# Altium PCB 58.13.0093_400_Rev00.PcbDoc (part 1 of 3) (continued)
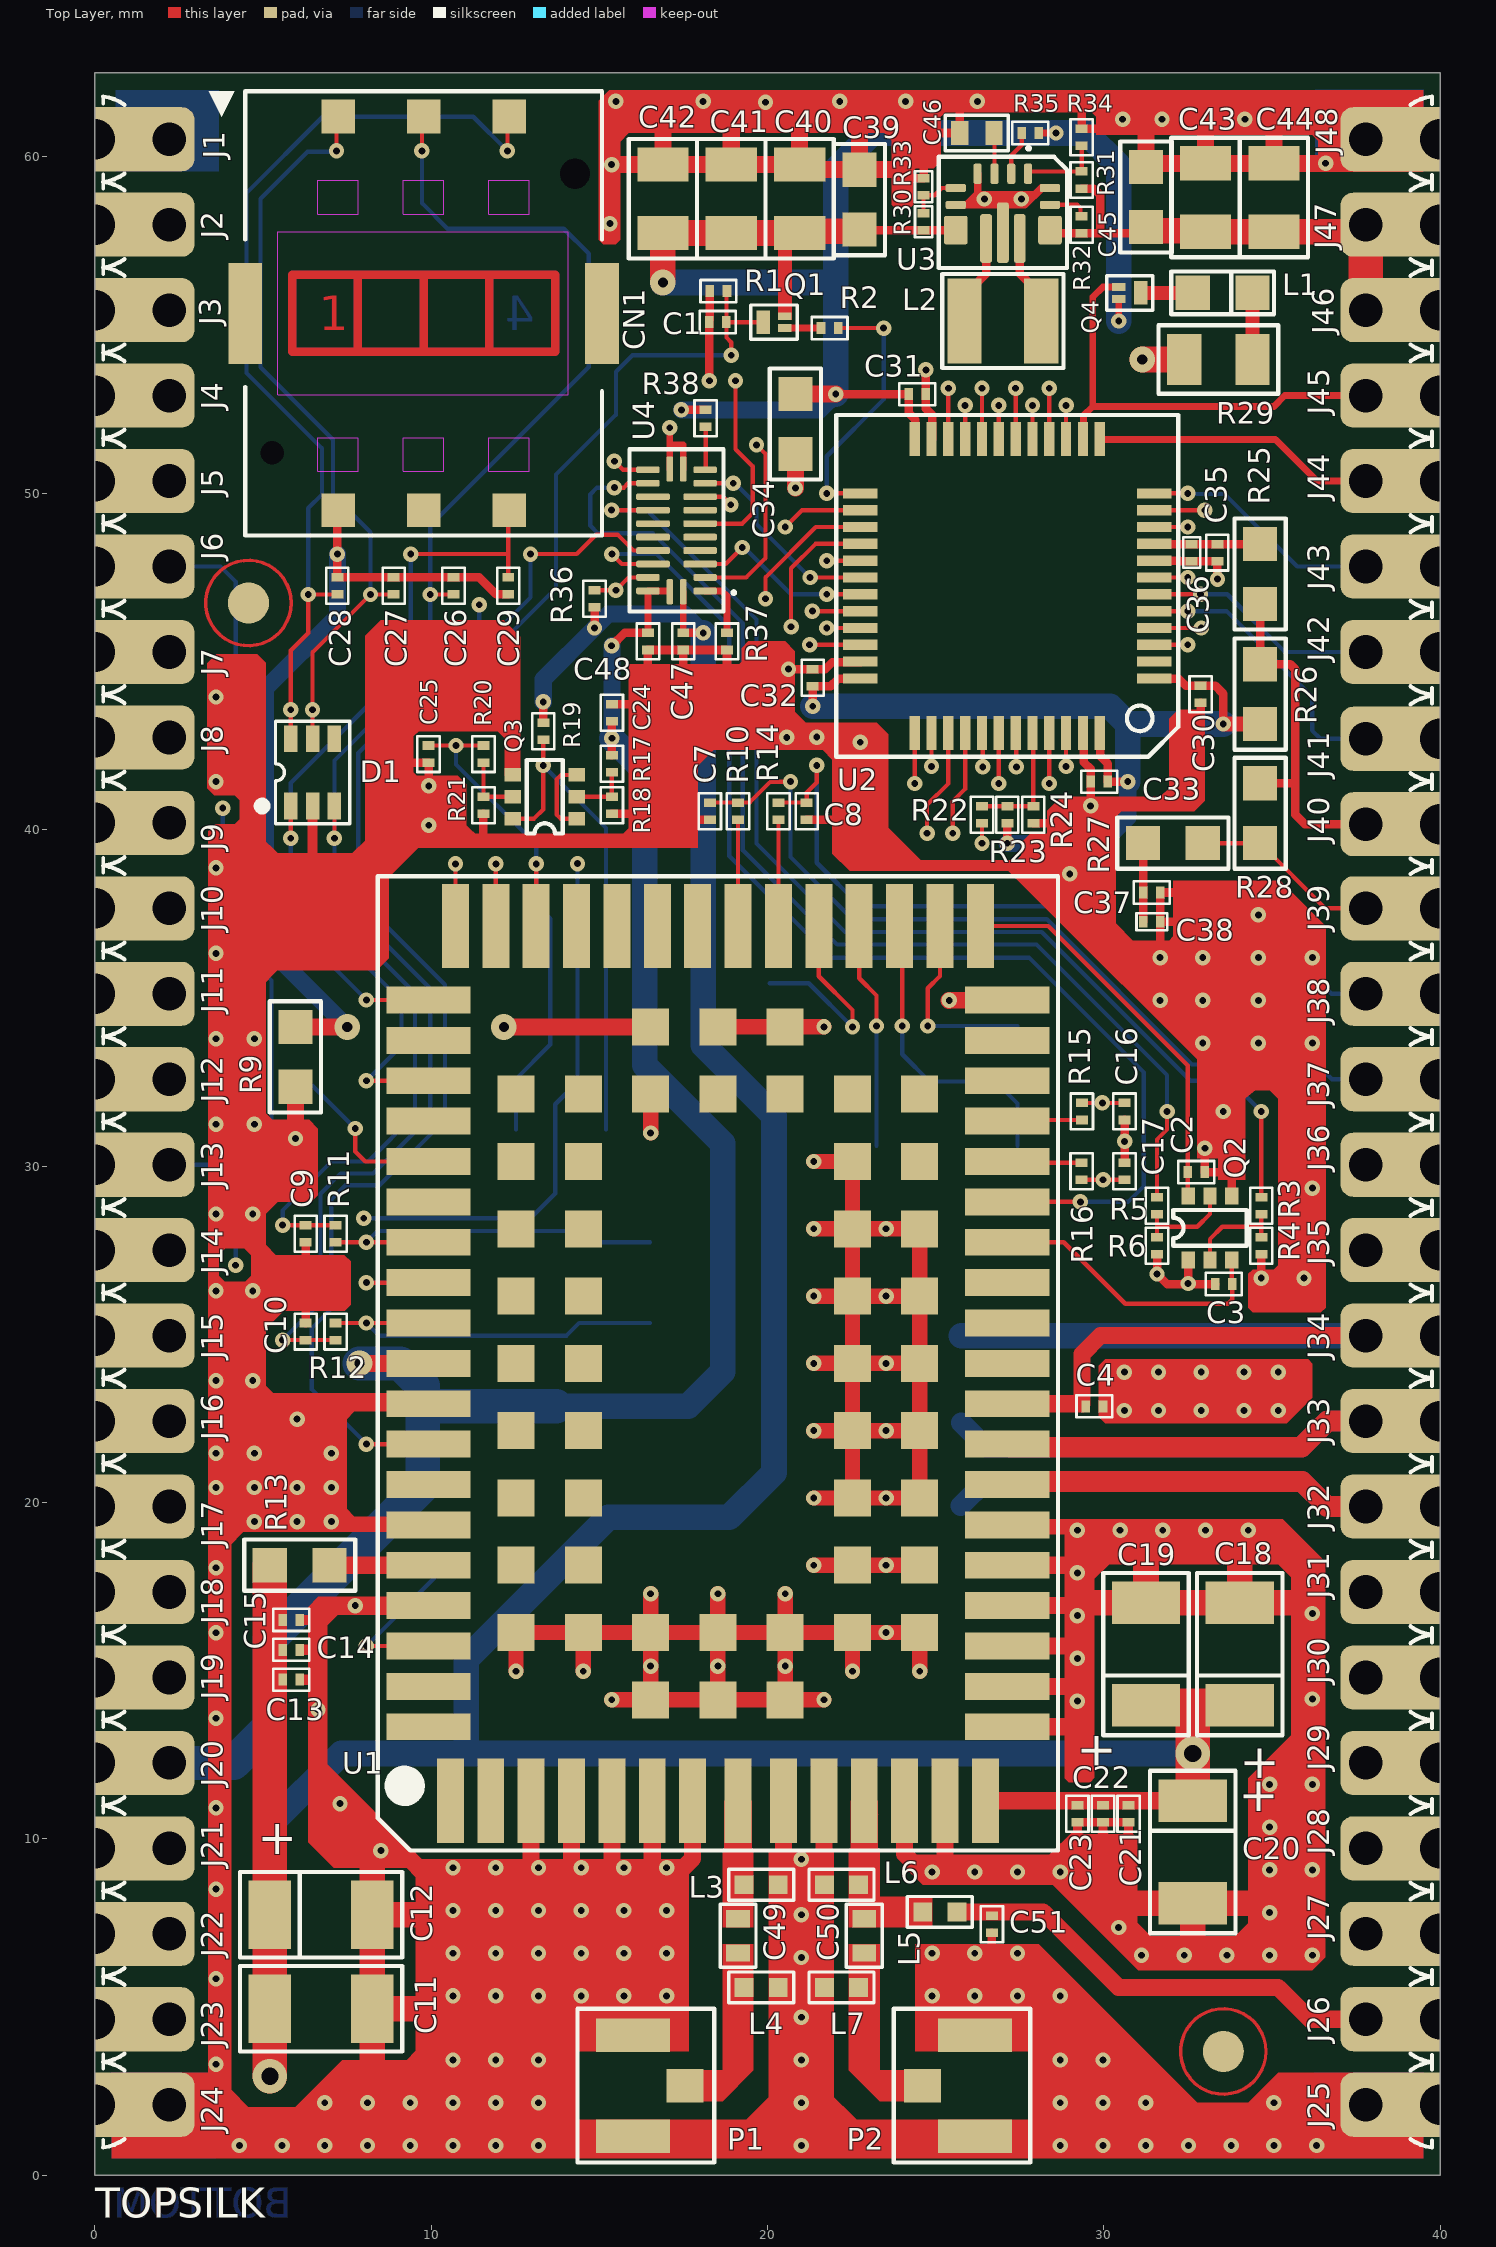
[diagram p0: Top Layer view]
## Components (designator, comment, footprint, x,y, rotation, side; value= is the part's Value field where it differs from the comment)
1 "Comment" ETIQUETA-34.15.1362 27.066,49.82 r90 bottom
C1 "16.23.0798" 16.23.0798 18.525,55.084 r0 top
C2 "16.23.0798" 16.23.0798 32.747,29.82 r180 top
C3 "16.23.0798" 16.23.0798 33.559,26.492 r0 top
C4 "16.23.0803" 16.23.0803 29.718,22.86 r0 top
C7 "16.23.0802" 16.23.0802 18.288,40.55 r270 top
C8 "16.23.0802" 16.23.0802 21.166,40.55 r270 top
C9 "16.23.0802" 16.23.0802 6.274,27.989 r90 top
C10 "16.23.0802" 16.23.0802 6.274,25.081 r270 top
C11 "16.23.0804" 16.23.0804 6.731,4.953 r0 top value=100uF
C12 "16.23.0795" 16.23.0795 6.731,7.747 r180 top
C13 "16.23.0797" 16.23.0797 5.842,14.732 r180 top
C14 "16.23.0797" 16.23.0797 5.842,15.621 r180 top
C15 "16.23.0799" 16.23.0799 5.842,16.51 r180 top
C16 "16.23.0802" 16.23.0802 30.613,31.623 r90 top
C17 "16.23.0802" 16.23.0802 30.613,29.845 r270 top
C18 "16.23.0789" 16.23.0789 34.036,15.494 r270 top
C19 "16.23.0795" 16.23.0795 31.25,15.494 r270 top
C20 "16.23.0795" 16.23.0795 32.639,9.611 r90 top
C21 "16.23.0797" 16.23.0797 30.734,10.744 r90 top
C22 "16.23.0797" 16.23.0797 29.972,10.744 r90 top
C23 "16.23.0799" 16.23.0799 29.21,10.744 r90 top
C24 "16.23.0798" 16.23.0798 15.375,43.478 r270 top
C25 "16.23.0798" 16.23.0798 9.925,42.246 r90 top
C26 "16.23.0800" 16.23.0800 10.668,47.244 r270 top
C27 "16.23.0801" 16.23.0801 8.89,47.244 r270 top
C28 "16.23.0799" 16.23.0799 7.214,47.244 r270 top
C29 "16.23.0799" 16.23.0799 12.294,47.244 r90 top
C30 "16.23.0803" 16.23.0803 32.874,44.028 r90 top
C31 "16.23.0803" 16.23.0803 24.454,52.944 r180 top
C32 "16.23.0803" 16.23.0803 21.344,44.516 r270 top
C33 "16.23.0803" 16.23.0803 29.859,41.426 r0 top
C34 "16.23.0805" 16.23.0805 20.828,52.055 r90 top value=10uF
C35 "16.23.0803" 16.23.0803 33.37,48.235 r90 top
C36 "16.23.0806" 16.23.0806 32.608,48.235 r90 top value=1uF
C37 "16.23.0803" 16.23.0803 31.425,38.131 r180 top
C38 "16.23.0806" 16.23.0806 31.425,37.262 r180 top value=1uF
C39 "16.23.0733" 16.23.0733 22.733,58.727 r270 top value=10uF/25V
C40 "16.23.0428" 16.23.0428 20.955,58.75 r270 top
C41 "16.23.0428" 16.23.0428 18.923,58.75 r270 top
C42 "16.23.0428" 16.23.0428 16.891,58.75 r270 top
C43 "16.23.0735" 16.23.0735 33.02,58.789 r270 top value=10uF/25V
C44 "16.23.0735" 16.23.0735 35.052,58.789 r270 top value=10uF/25V
C45 "16.23.0733" 16.23.0733 31.25,58.803 r270 top value=10uF/25V
C46 "16.23.0807" 16.23.0807 26.221,60.706 r0 top value=100nF
C47 "16.23.0803" 16.23.0803 17.496,45.593 r90 top
C48 "16.23.0803" 16.23.0803 16.446,45.593 r90 top
C49 "16.23.0788" 16.23.0788 19.125,7.12 r90 top
C50 "16.23.0788" 16.23.0788 22.875,7.12 r90 top
C51 "16.23.0798" 16.23.0798 26.67,7.468 r90 top
CN1 "SIMCARD-6X6" 28.24.0073 9.779,55.347 r180 top locked
D1 "32.27.0043" 32.27.0043 6.477,41.7 r0 top
J1 "CASTELATION" CASTELATION 0,60.52 r0 top
J2 "CASTELATION" CASTELATION 0,57.98 r0 top
J3 "CASTELATION" CASTELATION 0,55.44 r0 top
J4 "CASTELATION" CASTELATION 0,52.9 r0 top
J5 "CASTELATION" CASTELATION 0,50.36 r0 top
J6 "CASTELATION" CASTELATION 0,47.82 r0 top
J7 "CASTELATION" CASTELATION 0,45.28 r0 top
J8 "CASTELATION" CASTELATION 0,42.74 r0 top
J9 "CASTELATION" CASTELATION 0,40.2 r0 top
J10 "CASTELATION" CASTELATION 0,37.66 r0 top
J11 "CASTELATION" CASTELATION 0,35.12 r0 top
J12 "CASTELATION" CASTELATION 0,32.58 r0 top
J13 "CASTELATION" CASTELATION 0,30.04 r0 top
J14 "CASTELATION" CASTELATION 0,27.5 r0 top
J15 "CASTELATION" CASTELATION 0,24.96 r0 top
J16 "CASTELATION" CASTELATION 0,22.42 r0 top
J17 "CASTELATION" CASTELATION 0,19.88 r0 top
J18 "CASTELATION" CASTELATION 0,17.34 r0 top
J19 "CASTELATION" CASTELATION 0,14.8 r0 top
J20 "CASTELATION" CASTELATION 0,12.26 r0 top
J21 "CASTELATION" CASTELATION 0,9.72 r0 top
J22 "CASTELATION" CASTELATION 0,7.18 r0 top
J23 "CASTELATION" CASTELATION 0,4.64 r0 top
J24 "CASTELATION" CASTELATION 0,2.1 r0 top
J25 "CASTELATION" CASTELATION 40,2.1 r180 top
J26 "CASTELATION" CASTELATION 40,4.64 r180 top
J27 "CASTELATION" CASTELATION 40,7.18 r180 top
J28 "CASTELATION" CASTELATION 40,9.72 r180 top
J29 "CASTELATION" CASTELATION 40,12.26 r180 top
J30 "CASTELATION" CASTELATION 40,14.8 r180 top
J31 "CASTELATION" CASTELATION 40,17.34 r180 top
J32 "CASTELATION" CASTELATION 40,19.88 r180 top
J33 "CASTELATION" CASTELATION 40,22.42 r180 top
J34 "CASTELATION" CASTELATION 40,24.96 r180 top
J35 "CASTELATION" CASTELATION 40,27.5 r180 top
J36 "CASTELATION" CASTELATION 40,30.04 r180 top
J37 "CASTELATION" CASTELATION 40,32.58 r180 top
J38 "CASTELATION" CASTELATION 40,35.12 r180 top
J39 "CASTELATION" CASTELATION 40,37.66 r180 top
J40 "CASTELATION" CASTELATION 40,40.161 r180 top
J41 "CASTELATION" CASTELATION 40,42.701 r180 top
J42 "CASTELATION" CASTELATION 40,45.28 r180 top
J43 "CASTELATION" CASTELATION 40,47.82 r180 top
J44 "CASTELATION" CASTELATION 40,50.36 r180 top
J45 "CASTELATION" CASTELATION 40,52.9 r180 top
J46 "CASTELATION" CASTELATION 40,55.44 r180 top
J47 "CASTELATION" CASTELATION 40,57.98 r180 top
J48 "CASTELATION" CASTELATION 40,60.52 r180 top
L1 "32.17.0036" 32.17.0036 33.528,55.956 r0 top
L2 "40.12.0346" 40.12.0346 26.996,55.118 r180 top value=1uH
L3 "40.12.0345" 40.12.0345 19.812,8.636 r180 top value=18NH
L4 "40.12.0345" 40.12.0345 19.812,5.588 r180 top value=18NH
L5 "40.12.0348" 40.12.0348 25.12,7.831 r180 top value="10nH OR NC"
L6 "40.12.0345" 40.12.0345 22.2,8.636 r0 top value=18NH
L7 "40.12.0345" 40.12.0345 22.2,5.588 r0 top value=18NH
P1 "28.20.0019" 28.20.0019 16.002,2.667 r90 top value=uFL
P2 "28.20.0019" 28.20.0019 26.162,2.667 r270 top value=uFL
Q1 "72.19.0071" 72.19.0071 20.193,55.085 r90 top
Q2 "72.26.0005" 72.26.0005 33.153,28.161 r0 top
Q3 "72.26.0005" 72.26.0005 13.379,40.976 r90 top
Q4 "72.19.0071" 72.19.0071 30.765,55.951 r270 top
R1 "66.24.1346" 66.24.1346 18.542,56.007 r0 top value=100K
R2 "66.24.1342" 66.24.1342 21.844,54.907 r180 top value=100R
R3 "66.24.1344" 66.24.1344 34.677,28.821 r270 top value=22K
R4 "66.24.1346" 66.24.1346 34.677,27.627 r90 top value=100K
R5 "66.24.1344" 66.24.1344 31.578,28.821 r270 top value=22K
R6 "66.24.1346" 66.24.1346 31.578,27.627 r90 top value=100K
R9 "66.24.1337" 66.24.1337 5.969,33.246 r270 top value="0R OR NC"
R10 "66.24.1343" 66.24.1343 19.125,40.55 r90 top value=22R
R11 "66.24.1343" 66.24.1343 7.163,27.989 r90 top value=22R
R12 "66.24.1343" 66.24.1343 7.163,25.081 r270 top value=22R
R13 "66.24.1337" 66.24.1337 6.096,18.135 r0 top value=0R
R14 "66.24.1343" 66.24.1343 20.325,40.55 r90 top value=22R
R15 "66.24.1343" 66.24.1343 29.345,31.623 r90 top value=22R
R16 "66.24.1343" 66.24.1343 29.337,29.845 r270 top value=22R
R17 "66.24.1344" 66.24.1344 15.375,41.954 r270 top value=22K
R18 "66.24.1346" 66.24.1346 15.375,40.728 r90 top value=100K
R19 "66.24.1346" 66.24.1346 13.335,42.926 r90 top value=100K
R20 "66.24.1345" 66.24.1345 11.557,42.246 r270 top value=4K7
R21 "66.24.1346" 66.24.1346 11.557,40.728 r90 top value=100K
R22 "66.21.1646" 66.21.1646 26.377,40.441 r90 top value="10k 0R NC"
R23 "66.21.1646" 66.21.1646 27.127,40.441 r90 top value="10k 0R NC"
R24 "66.21.1646" 66.21.1646 27.901,40.441 r90 top value="10k 0R NC"
R25 "66.24.1337" 66.24.1337 34.64,47.597 r90 top value="Ferrite 0R"
R26 "66.24.1337" 66.24.1337 34.64,44.028 r270 top value="0R OR NC"
R27 "66.24.1337" 66.24.1337 32.049,39.599 r180 top value="Ferrite 0R"
R28 "66.24.1337" 66.24.1337 34.64,40.488 r90 top value="0R OR NC"
R29 "66.33.4700" 66.33.4700 33.401,53.975 r0 top value=470R
R30 "66.21.1644" 66.21.1644 24.638,58.07 r270 top value=470k
R31 "66.21.1646" 66.21.1646 29.337,59.309 r90 top value="10k 0R NC"
R32 "66.21.1646" 66.21.1646 29.337,57.977 r90 top value=10k
R33 "66.21.1645" 66.21.1645 24.638,59.108 r90 top value=150k
R34 "66.21.1646" 66.21.1646 29.337,60.579 r270 top value="10k 0R NC"
R35 "66.24.1346" 66.24.1346 27.813,60.706 r0 top value=100K
R36 "66.24.1346" 66.24.1346 14.859,46.863 r90 top value=100K
R37 "66.24.1346" 66.24.1346 18.796,45.593 r270 top value=100K
R38 "66.24.1346" 66.24.1346 18.161,52.222 r90 top value=100K
TP_1V8 "TESTPOINT" TESTPOINT-60MILS 13.716,22.86 r90 bottom
TP_CTS_0 "TESTPOINT" TESTPOINT-60MILS 10.16,26.508 r90 bottom
TP_CTS_1 "TESTPOINT" TESTPOINT-60MILS 27.432,34.135 r90 bottom
TP_IGT "TESTPOINT" TESTPOINT-60MILS 15.494,52.324 r90 bottom
TP_PWR_IND "TESTPOINT" TESTPOINT-60MILS 15.197,31.09 r90 bottom
TP_rfu "TESTPOINT" TESTPOINT-60MILS 10.477,18.135 r90 bottom
TP_RTS_0 "TESTPOINT" TESTPOINT-60MILS 6.477,32.385 r90 bottom
TP_RTS_1 "TESTPOINT" TESTPOINT-60MILS 27.432,30.607 r90 bottom
TP_RXD0 "TESTPOINT" TESTPOINT-60MILS 16.51,25.335 r90 bottom
TP_RXD_1 "TESTPOINT" TESTPOINT-60MILS 23.241,30.607 r90 bottom
TP_TXD0 "TESTPOINT" TESTPOINT-60MILS 16.51,27.735 r0 bottom
TP_TXD_1 "TESTPOINT" TESTPOINT-60MILS 20.066,35.433 r90 bottom
TP_USB_DN "TESTPOINT" TESTPOINT-60MILS 25.742,19.9 r90 bottom
TP_USB_DP "TESTPOINT" TESTPOINT-60MILS 25.763,22.37 r90 bottom
TP_VCORE "TESTPOINT" TESTPOINT-60MILS 12.525,31.09 r90 bottom
TP_VUSB "TESTPOINT" TESTPOINT-60MILS 25.763,24.96 r90 bottom
U1 "24.12.0081" 24.12.0081 18.525,24.135 r90 top locked value=EXS82-W
U2 "24.18.0033" 24.18.0033 27.125,47.244 r180 top
U3 "26.24.0200" 26.24.0200 26.996,58.345 r180 top value=TPS630702RNMR
U4 "24.15.0640" 24.15.0640 17.296,48.895 r90 top value=SN74AXC8T245RJWR
? "Comment" FIDUCIAL 4.572,46.736 r270 top
? "Comment" FIDUCIAL 33.547,3.683 r270 top
? "Comment" LOGO-THALES 35.408,50.317 r90 top
? "Comment" ETIQUETA-34.15.0433 7.036,7.239 r180 bottom

## Footprints (in the part's own frame and the unit in brackets; to place one, negate y for a bottom-side part, rotate by r counter-clockwise, add the part's x,y. Pads: shape width x height; smd on the part's side, far side on the other; paste and mask are expansions set on the pad)
16.23.0428 [mil] "CC MUL 22uF 16V X5R 20% SMD 0805"
  rect 40x60 smd: 1(-40,0) 2(40,0)
  Top Layer pour cut-out: -20,30 -20,-30 20,-30 20,30
  silkscreen extent -70,-40 70,40, body extent -39,-24 39,25, height 31
16.23.0733 [mil] "CAPACITOR CERAMICO MULTICAMADAS 10uF 25V X5R 20% SMD 0603"
  rect 40x40 smd: 1(-35,0) 2(35,0)
  Top Layer pour cut-out: -15,20 -15,-20 15,-20 15,20
  silkscreen extent -65,-30 65,30, body extent -31,-16 32,16, height 12
16.23.0735 [mil] "CAPACITOR CERAMICO MULTICAMADAS 10uF 25V X5R 10% SMD 0805"
  rect 40x60 smd: 1(-40,0) 2(40,0)
  Top Layer pour cut-out: -20,30 -20,-30 20,-30 20,30
  silkscreen extent -70,-40 70,40, body extent -39,-24 39,25, height 31
16.23.0788 [mil] "CAPACITOR CERAMICO MULTICAMADA 4.7PF 50V C0G/NP0 0402"
  rect 20x28 smd: 1(-20,0) 2(20,0)
  Top Layer pour cut-out: -10,14 -10,-14 10,-14 10,14
  silkscreen extent -37,-21 37,21, body extent -20,-12 20,12, height 8
16.23.0789 [mil] "CAPACITOR CERAMICO 150uF 20% 6.3V X5R SMD 1206"
  rect 50x80 smd: 1(60,0) 2(-60,0)
  Top Layer pour cut-out: -35,40 -35,-40 35,-40 35,40
  silkscreen extent -95,-50 95,50, body extent -63,-31 63,32, height 39
16.23.0795 [mil] "CAPACITOR CERAMICO 47uF 10% 6.3V X5R SMD 1206"
  rect 50x80 smd: 1(60,0) 2(-60,0)
  Top Layer pour cut-out: -35,40 -35,-40 35,-40 35,40
  silkscreen extent -95,-50 95,50, body extent -63,-31 63,32, height 39
16.23.0797 [mil] "CAPACITOR CERAMICO 33pF 10V 5% C0G SMD 0201"
  rect 10x14 smd: 1(-10,0) 2(10,0)
  Top Layer pour cut-out: -5,7 -5,-7 5,-7 5,7
  silkscreen extent -21,-13 21,13, body extent -12,-6 12,6, height 12
16.23.0798 [mil] "CAPACITOR CERAMICO 47pF 10V 5% C0G SMD 0201"
  rect 10x14 smd: 1(-10,0) 2(10,0)
  Top Layer pour cut-out: -5,7 -5,-7 5,-7 5,7
  silkscreen extent -21,-13 21,13, body extent -12,-6 12,6, height 12
16.23.0799 [mil] "CAPACITOR CERAMICO 10pF 25V 5% C0G SMD 0201"
  rect 10x14 smd: 1(-10,0) 2(10,0)
  Top Layer pour cut-out: -5,7 -5,-7 5,-7 5,7
  silkscreen extent -21,-13 21,13, body extent -12,-6 12,6, height 12
16.23.0800 [mil] "CAPACITOR CERAMICO 1nF 25V 5% X7R SMD 0201"
  rect 10x14 smd: 1(-10,0) 2(10,0)
  Top Layer pour cut-out: -5,7 -5,-7 5,-7 5,7
  silkscreen extent -21,-13 21,13, body extent -12,-6 12,6, height 12
16.23.0801 [mil] "CAPACITOR CERAMICO 220nF 16V 10% X5R SMD 0201"
  rect 10x14 smd: 1(-10,0) 2(10,0)
  Top Layer pour cut-out: -5,7 -5,-7 5,-7 5,7
  silkscreen extent -21,-13 21,13, body extent -12,-6 12,6, height 12
16.23.0802 [mil] "CAPACITOR CERAMICO 39pF 100V 5% C0G SMD 0201"
  rect 10x14 smd: 1(-10,0) 2(10,0)
  Top Layer pour cut-out: -5,7 -5,-7 5,-7 5,7
  silkscreen extent -21,-13 21,13, body extent -12,-6 12,6, height 12
16.23.0803 [mil] "CAPACITOR CERAMICO 100nF 16V 10%% X5R SMD 0201"
  rect 10x14 smd: 1(-10,0) 2(10,0)
  Top Layer pour cut-out: -5,7 -5,-7 5,-7 5,7
  silkscreen extent -21,-13 21,13, body extent -12,-6 12,6, height 12
16.23.0804 [mil] "CAPACITOR CERAMICO 100uF 6.3V 10%% X5R SMD 1206"
  rect 50x80 smd: 1(60,0) 2(-60,0)
  Top Layer pour cut-out: -35,40 -35,-40 35,-40 35,40
  silkscreen extent -95,-50 95,50, body extent -63,-31 63,32, height 39
16.23.0805 [mil] "CAPACITOR CERAMICO MULTICAMADAS 10uF 10V X5R 10% SMD 0603"
  rect 40x40 smd: 1(-35,0) 2(35,0)
  Top Layer pour cut-out: -15,20 -15,-20 15,-20 15,20
  silkscreen extent -65,-30 65,30, body extent -31,-16 32,16, height 12
16.23.0806 [mil] "CAPACITOR CERAMICO MULTICAMADAS 1uF 10V X5R 20% SMD 0201"
  rect 10x14 smd: 1(-10,0) 2(10,0)
  Top Layer pour cut-out: -5,7 -5,-7 5,-7 5,7
  silkscreen extent -18,-10 18,10, body extent -12,-6 12,6, height 12
16.23.0807 [mil] "CAPACITOR CERAMICO MULTICAMADAS 100nF 50V X7R 10% SMD 0402"
  rect 20x28 smd: 1(-20,0) 2(20,0)
  Top Layer pour cut-out: -10,14 -10,-14 10,-14 10,14
  silkscreen extent -37,-21 37,21, body extent -20,-12 20,12, height 8
24.12.0081 [mm] "CIRCUITO INTEGRADO DIG MOD COMUNICACAO MULTI REDES EXS82-W"
  rect 0.8x2.5 smd: 1(-10.8,8.6) 2(-9.6,8.6) 3(-8.4,8.6) 4(-7.2,8.6) 5(-6,8.6) 6(-4.8,8.6) 7(-3.6,8.6) 8(-2.4,8.6) 9(-1.2,8.6) 10(0,8.6) 11(1.2,8.6) 12(2.4,8.6) 13(3.6,8.6) 14(4.8,8.6) 15(6,8.6) 16(7.2,8.6) 17(8.4,8.6) 18(9.6,8.6) 19(10.8,8.6) 34(10.8,-8.6) 35(9.6,-8.6) 36(8.4,-8.6) 37(7.2,-8.6) 38(6,-8.6) 39(4.8,-8.6) 40(3.6,-8.6) 41(2.4,-8.6) 42(1.2,-8.6) 43(0,-8.6) 44(-1.2,-8.6) 45(-2.4,-8.6) 46(-3.6,-8.6) 47(-4.8,-8.6) 48(-6,-8.6) 49(-7.2,-8.6) 50(-8.4,-8.6) 51(-9.6,-8.6) 52(-10.8,-8.6)
  rect 2.5x0.8 smd: 20(13,7.8) 21(13,6.6) 22(13,5.4) 23(13,4.2) 24(13,3) 25(13,1.8) 26(13,0.6) 27(13,-0.6) 28(13,-1.8) 29(13,-3) 30(13,-4.2) 31(13,-5.4) 32(13,-6.6) 33(13,-7.8) 53(-13,-7.95) 54(-13,-6.75) 55(-13,-5.55) 56(-13,-4.35) 57(-13,-3.15) 58(-13,-1.95) 59(-13,-0.6) 60(-13,0.75) 61(-13,1.95) 62(-13,3.15) 63(-13,4.35) 64(-13,5.55) 65(-13,6.75) 66(-13,7.95)
  rect 1.1x1.1 smd: 67(-6,6) 68(-4,6) 69(-2,6) 70(0,6) 71(2,6) 72(4,6) 73(6,6) 74(-6,4) 75(-4,4) 76(-2,4) 77(0,4) 78(2,4) 79(4,4) 80(6,4) 81(-10,2) 82(-8,2) 83(8,2) 84(10,2) 85(-10,0) 86(-8,0) 87(8,0) 88(10,0) 89(-10,-2) 90(-8,-2) 91(8,-2) 92(10,-2) 93(-6,-4) 94(-4,-4) 95(-2,-4) 96(0,-4) 97(2,-4) 98(4,-4) 99(6,-4) 100(-6,-6) 101(-4,-6) 102(-2,-6) 103(0,-6) 104(2,-6) 105(4,-6) 106(6,-6) 245(-8,6) 246(8,6) 247(8,4) 248(8,-4) 249(8,-6) 250(-8,-6) 251(-8,-4) 252(-8,4)
  silkscreen extent -14.48,-10.11 14.48,10.11, body extent -13.81,-9.4 13.8,9.4, height 2.3
24.15.0640 [mm] "CID CONVERSOR NIVEL ALIMENTACAO DUPLA DIRECAO CONTROLADA 8 BITS 0.65V - 3.6V"
  rrect50% 0.2x0.7 smd paste-0.18: 1(-1.8,-0.85) 2(-1.4,-0.85) 9(1.4,-0.85) 10(1.8,-0.85) 13(1.8,0.85) 14(1.4,0.85) 21(-1.4,0.85) 22(-1.8,0.85)
  rrect50% 0.2x1 smd paste-0.18: 3(-1,-0.7) 4(-0.6,-0.7) 5(-0.2,-0.7) 6(0.2,-0.7) 7(0.6,-0.7) 8(1,-0.7) 15(1,0.7) 16(0.6,0.7) 17(0.2,0.7) 18(-0.2,0.7) 19(-0.6,0.7) 20(-1,0.7)
  rrect50% 0.75x0.2 smd paste-0.18: 11(1.825,-0.2) 12(1.825,0.2) 23(-1.825,0.2) 24(-1.825,-0.2)
  rrect50% 0.7x0.2 on Top Paste: ""(-1.85,-0.2) ""(-1.85,0.2) ""(1.85,-0.2) ""(1.85,0.2)
  rrect50% 0.2x0.65 on Top Paste: ""(-1.8,-0.875) ""(-1.8,0.875) ""(-1.4,-0.875) ""(-1.4,0.875) ""(1.4,-0.875) ""(1.4,0.875) ""(1.8,-0.875) ""(1.8,0.875)
  rrect50% 0.2x0.95 on Top Paste: ""(-1,-0.725) ""(-1,0.725) ""(-0.6,-0.725) ""(-0.6,0.725) ""(-0.2,0.725) ""(-0.2,-0.725) ""(0.2,0.725) ""(0.2,-0.725) ""(0.6,-0.725) ""(0.6,0.725) ""(1,-0.725) ""(1,0.725)
  silkscreen extent -2.41,-1.75 2.41,1.4, body extent -2,-1 2,1, height 0.55
24.18.0033 [mil] "MICROCONTROLADOR 32BITS ARM 192KB FLASH 48 PINOS LQFP"
  rect 40x12 smd: 1(-172,108.27) 2(-172,88.58) 3(-172,68.9) 4(-172,49.21) 5(-172,29.53) 6(-172,9.84) 7(-172,-9.84) 8(-172,-29.53) 9(-172,-49.21) 10(-172,-68.9) 11(-172,-88.58) 12(-172,-108.27) 25(172,-108.27) 26(172,-88.58) 27(172,-68.9) 28(172,-49.21) 29(172,-29.53) 30(172,-9.84) 31(172,9.84) 32(172,29.53) 33(172,49.21) 34(172,68.9) 35(172,88.58) 36(172,108.27)
  rect 12x40 smd: 13(-108.27,-172) 14(-88.58,-172) 15(-68.9,-172) 16(-49.21,-172) 17(-29.53,-172) 18(-9.84,-172) 19(9.84,-172) 20(29.53,-172) 21(49.21,-172) 22(68.9,-172) 23(88.58,-172) 24(108.27,-172) 37(108.27,172) 38(88.58,172) 39(68.9,172) 40(49.21,172) 41(29.53,172) 42(9.84,172) 43(-9.84,172) 44(-29.53,172) 45(-49.21,172) 46(-68.9,172) 47(-88.58,172) 48(-108.27,172)
  silkscreen extent -200,-200 200,200, body extent -173,-173 173,173, height 61
26.24.0200 [mm] "CI REGULADOR TENSAO CHAV AJUST 2A16V 2A DESC SAIDA VQFN-HR"
  rrect40% 0.6x0.25 on Top Paste: 0(-1.4,0.775) 0(-1.4,0.275) 0(1.4,0.775) 0(1.4,0.275)
  rrect40% 0.6x0.25 on Top Solder: 0(-1.4,0.775) 0(-1.4,0.275) 0(1.4,0.775) 0(1.4,0.275)
  rrect40% 0.25x0.75 on Top Paste: 0(-1.225,0.525) 0(1.225,0.525)
  rrect40% 0.25x0.75 on Top Solder: 0(-1.225,0.525) 0(1.225,0.525)
  rrect40% 0.25x0.72 on Top Paste: 0(0,1.06) 1(0,0.14)
  rrect42% 0.24x0.6 smd: 1(-0.75,-1.15) 2(-0.25,-1.15) 3(0.25,-1.15) 4(0.75,-1.15)
  rrect40% 0.25x0.575 on Top Paste: 1(-0.5,1.163) 1(-0.5,0.388) 1(0.5,1.163) 1(0.5,0.388)
  rrect42% 0.6x0.24 smd: 5(1.4,-0.725) 6(1.4,-0.225) 14(-1.4,-0.225) 15(-1.4,-0.725)
  rrect17% 0.7x0.85 smd paste-0.35 mask-0.35: 7(1.4,0.525) 8(1.4,0.525) 12(-1.4,0.525) 13(-1.4,0.525)
  rrect42% 0.35x1.45 smd paste-0.18 mask-0.05: 9(0.5,0.775) 11(-0.5,0.775)
  rrect42% 0.35x1.8 smd paste-0.18 mask-0.05: 10(0,0.6)
  silkscreen extent -1.91,-1.95 1.91,1.65, body extent -1.5,-1.25 1.5,1.25, height 1
28.20.0019 [mm] "CONECTOR MICRO COAXIAL 50 OHM SMD"
  rect 1x1.1 smd: 1(0,-1.55)
  rect 1x2.2 smd: 2(-1.5,0) 3(1.5,0)
  Top Layer pour cut-out: -1,1.1 1,1.1 1,-1.1 0.6,-1.1 0.6,-0.9 -0.6,-0.9 -0.6,-1.1 -1,-1.1
  silkscreen extent -2.29,-2.41 2.29,1.65, body extent -1.3,-1.3 1.3,1.3, height 1.3
28.24.0073 [mm] "CONECTOR FM NANO-D 6 VIAS - BRONZE"
  rect 1x3 smd: 0(-5.3,0) 0(5.3,0)
  rect 1x1 smd: C1(2.54,-5.85) C2(0,-5.85) C3(-2.54,-5.85) C5(2.54,5.85) C6(0,5.85) C7(-2.54,5.85)
  round 0 hole 0.7 unplated: FIX1(4.5,4.15)
  round 0 hole 0.9 unplated: FIX2(-4.5,-4.15)
  Top Layer keep-out lines w0.01: 4.343,2.425 4.343,-2.425 3.575,-2.425 -3.575,-2.425 -4.293,-2.425 -4.293,2.425 -3.575,2.425 3.575,2.425 4.343,2.425 ; 3.14,4.7 1.94,4.7 1.94,3.7 3.14,3.7 3.14,4.7 ; 3.14,-2.95 3.14,-3.95 1.94,-3.95 1.94,-2.95 3.14,-2.95 ; 0.6,4.7 -0.6,4.7 -0.6,3.7 0.6,3.7 0.6,4.7 ; 0.6,-2.95 0.6,-3.95 -0.6,-3.95 -0.6,-2.95 0.6,-2.95 ; -1.94,4.7 -3.14,4.7 -3.14,3.7 -1.94,3.7 -1.94,4.7 ; -1.94,-2.95 -1.94,-3.95 -3.14,-3.95 -3.14,-2.95 -1.94,-2.95
  silkscreen extent -5.3,-6.61 6.39,6.6, body extent -4.76,-6.11 4.76,6.1, height 1.25
32.17.0036 [mil] "LED VERDE 0603 SMD"
  rect 40x40 smd: A(-35,0) K(35,0)
  Top Layer pour cut-out: -15,20 -15,-20 15,-20 15,20
  silkscreen extent -60,-25 60,25, body extent -33,-18 33,18, height 35
32.27.0043 [mm] "DIODO SUPRESSOR 5.5V 10V SC88"
  rect 0.4x0.8 smd: 1(-0.65,-1) 2(0,-1) 3(0.65,-1) 4(0.65,1) 5(0,1) 6(-0.65,1)
  silkscreen extent -1.62,-1.52 1.1,1.52, body extent -1,-1.1 1,1.1, height 1.1
40.12.0345 [mil] "INDUTOR FIXO 18NH 370MA 270 MOHM 0402"
  rect 22x22 smd: 1(-20,0) 2(20,0)
  silkscreen extent -38,-18 38,18, body extent -20,-12 19,12, height 20
40.12.0346 [mil] "INDUTOR FIXO 1uH 20% 5A 36mOHM SMD 1008"
  rect 40x100 smd: 1(-45,0) 2(45,0)
  Top Layer pour cut-out: -25,50 -25,-50 25,-50 25,50
  silkscreen extent -71,-55 71,55, body extent -53,-46 53,46, height 45
40.12.0348 [mil] "INDUTOR FIXO 10nH 3% 500mA 260mOHM 0402"
  rect 22x22 smd: 1(-20,0) 2(20,0)
  silkscreen extent -38,-18 38,18, body extent -20,-12 19,12, height 20
66.21.1644 [mil] "RESISTOR THICK FILM 470k OHMS 25V 0.05W 1% SMD 0201"
  rect 10x14 smd: 1(-10,0) 2(10,0)
  Top Layer pour cut-out: -5,7 -5,-7 5,-7 5,7
  silkscreen extent -18,-10 18,10, body extent -12,-6 12,6, height 12
66.21.1645 [mil] "RESISTOR THICK FILM 150k OHMS 25V 0.05W 1% SMD 0201"
  rect 10x14 smd: 1(-10,0) 2(10,0)
  Top Layer pour cut-out: -5,7 -5,-7 5,-7 5,7
  silkscreen extent -18,-10 18,10, body extent -12,-6 12,6, height 12
66.21.1646 [mil] "RESISTOR THICK FILM 10k OHMS 25V 0.05W 1% SMD 0201"
  rect 10x14 smd: 1(-10,0) 2(10,0)
  Top Layer pour cut-out: -5,7 5,7 5,-7 -5,-7
  silkscreen extent -21,-13 21,13, body extent -12,-6 12,6, height 12
66.24.1337 [mil] "RESISTOR THICK FILM 0,1W 0 OHMS SMD 0603"
  rect 40x40 smd: 1(-35,0) 2(35,0)
  Top Layer pour cut-out: -15,20 15,20 15,-20 -15,-20
  silkscreen extent -65,-30 65,30, body extent -31,-16 32,16, height 12
66.24.1342 [mil] "RESISTOR THICK FILM 50mW 100 OHMS 1% SMD 0201"
  rect 10x14 smd: 1(-10,0) 2(10,0)
  Top Layer pour cut-out: -5,7 5,7 5,-7 -5,-7
  silkscreen extent -21,-13 21,13, body extent -12,-6 12,6, height 12
66.24.1343 [mil] "RESISTOR THICK FILM 50mW 22 OHMS 1% SMD 0201"
  rect 10x14 smd: 1(-10,0) 2(10,0)
  Top Layer pour cut-out: -5,7 5,7 5,-7 -5,-7
  silkscreen extent -21,-13 21,13, body extent -12,-6 12,6, height 12
66.24.1344 [mil] "RESISTOR THICK FILM 50mW 22K OHMS 1% SMD 0201"
  rect 10x14 smd: 1(-10,0) 2(10,0)
  Top Layer pour cut-out: -5,7 5,7 5,-7 -5,-7
  silkscreen extent -21,-13 21,13, body extent -12,-6 12,6, height 12
66.24.1345 [mil] "RESISTOR THICK FILM 50mW 4K7 OHMS 1% SMD 0201"
  rect 10x14 smd: 1(-10,0) 2(10,0)
  Top Layer pour cut-out: -5,7 5,7 5,-7 -5,-7
  silkscreen extent -21,-13 21,13, body extent -12,-6 12,6, height 12
66.24.1346 [mil] "RESISTOR THICK FILM 50mW 100K OHMS 1% SMD 0201"
  rect 10x14 smd: 1(-10,0) 2(10,0)
  Top Layer pour cut-out: -5,7 5,7 5,-7 -5,-7
  silkscreen extent -21,-13 21,13, body extent -12,-6 12,6, height 12
66.33.4700 [mil] "RES MET 0,125W 470 OHMS 5% SMD 0805"
  rect 40x60 smd: 1(-40,0) 2(40,0)
  Top Layer pour cut-out: -20,30 20,30 20,-30 -20,-30
  silkscreen extent -70,-40 70,40, body extent -39,-25 39,25, height 31
72.19.0071 [mm] "MOSFET CANAL P SMD 30V 230mA SOT883B"
  rect 0.229x0.4 smd: 1(-0.178,-0.325) 2(0.178,-0.325)
  rect 0.7x0.4 smd: 3(0,0.325)
  silkscreen extent -0.51,-0.69 0.51,0.69, body extent -0.3,-0.5 0.3,0.5, height 0.4
72.26.0005 [mm] "TRANSISTOR DUPLO NPN BC847 SMD SOT363"
  rect 0.4x0.5 smd: 1(-0.65,-0.95) 2(0,-0.95) 3(0.65,-0.95) 4(0.65,0.95) 5(0,0.95) 6(-0.65,0.95)
  silkscreen extent -1.09,-0.53 1.09,0.53, body extent -1,-1.05 1,1.05, height 0.96
CASTELATION [mm]
  rect 2.286x1.905 hole 1.2 copper offset 1.143,0: 1(0,0)
  rrect50% 1.5x1.905 hole 1: 1(2.22,0)
  silkscreen extent 0.25,-1.27 0.89,1.27
ETIQUETA-34.15.0433 [mm] "ETIQUETA"
  silkscreen extent -4,-3.43 3.54,3.5
ETIQUETA-34.15.1362 [mm] "ETIQUETA POLIAMIDA 19,1MM/6,35MM COR AMBAR"
  silkscreen extent -9.6,-3.25 9.6,3.25
FIDUCIAL [mil] "Marca fiducial circular"
  round 48 smd: 0(0,0)
  round 100 on Top Solder: 1(0,0)
  Top Layer circle w4: c0,0 r50
LOGO-THALES [mm]
TESTPOINT-60MILS [mil]
  round 60 smd: 1(0,0)
  silkscreen extent -35,-35 35,35

## Part data
C1 C2 C3 C24 C25 C51: "CAPACITOR CERAMICO 47pF 10V 5% C0G SMD 0201", =47pF
C4 C30 C31 C32 C33 C35 C37 C47 C48: "CAPACITOR CERAMICO 100nF 16V 10%% X5R SMD 0201", =100nF
C7 C8 C9 C10 C16 C17: "CAPACITOR CERAMICO 39pF 100V 5% C0G SMD 0201"
  C7 C8 C16 C17: ="39pF or NC"
  C9 C10: =39pF
C11: "CAPACITOR CERAMICO 100uF 6.3V 10%% X5R SMD 1206"
C12 C19 C20: "CERAMICO 47uF 10% 6.3V X5R SMD 1206", =47uF
C13 C14 C21 C22: "CAPACITOR CERAMICO 33pF 10V 5% C0G SMD 0201", =33pF
C15 C23 C28 C29: "CAPACITOR CERAMICO 10pF 25V 5% C0G SMD 0201", =10pF
C18: "CAPACITOR CERAMICO 150uF 20% 6.3V X5R SMD 1206", =150uF
C26: "CAPACITOR CERAMICO 1nF 25V 5% X7R SMD 0201", =1nF
C27: "CAPACITOR CERAMICO 220nF 16V 10% X5R SMD 0201", =220nF
C34: "CAPACITOR CERAMICO MULTICAMADAS 10uF 10V X5R 10% SMD 0603"
C36 C38: "CAPACITOR CERAMICO MULTICAMADAS 1uF 10V X5R 20% SMD 0201"
C39 C45: "CAPACITOR CERAMICO MULTICAMADAS 10uF 25V 20% SMD 0603 X5R", Part Number=GRM188R61E106MA73, Fabricante=Murata
C40 C41 C42: "CC MUL 22uF 16V X5R 20% SMD 0805", =22uF
C43 C44: "CAPACITOR CERAMICO MULTICAMADAS 10uF 25V 10% SMD 0805 X5R", Part Number=GRM21BR61E106KA73, Fabricante=Murata
C46: "CAPACITOR CERAMICO MULTICAMADAS 100nF 50V X7R 10% SMD 0402"
C49 C50: "CAPACITOR CERAMICO MULTICAMADA 4.7PF 50V C0G/NP0 0402", =4.7pF
CN1: library part 28.24.0073, "CONECTOR FM NANO-D 6 VIAS - BRONZE"
D1: "DIODO SUPRESSOR 5.5V 10V SC88", =NUP4114UCW1T2G
L1: "LED VERDE 0603 SMD", =GREEN
L2: "INDUTOR FIXO 1uH 20% 5A 36mOHM SMD 1008"
L3 L4 L6 L7: "INDUTOR FIXO 18NH 370MA 270 MOHM 0402"
L5: "INDUTOR FIXO 10nH 3% 500mA 260mOHM 0402", Manufactor=MURATA, Part Number=LQG15HS10NH02D
P1 P2: "CONECTOR MICRO COAXIAL 50 OHM SMD"
Q1 Q4: "MOSFET CANAL P SMD 30V 230mA SOT883B", =NX3008PBKMB
Q2 Q3: "TRANSISTOR DUPLO NPN BC847 SMD SOT363", =BC847CDW1T1G
R1 R4 R6 R18 R19 R21 R35 R36 R37 R38: "RESISTOR THICK FILM 50mW 100K OHMS 1% SMD 0201"
R2: "RESISTOR THICK FILM 50mW 100 OHMS 1% SMD 0201"
R3 R5 R17: "RESISTOR THICK FILM 50mW 22K OHMS 1% SMD 0201"
R9 R13 R25 R26 R27 R28: "RESISTOR THICK FILM 0,1W 0 OHMS SMD 0603"
R10 R11 R12 R14 R15 R16: "RESISTOR THICK FILM 50mW 22 OHMS 1% SMD 0201"
R20: "RESISTOR THICK FILM 50mW 4K7 OHMS 1% SMD 0201"
R22 R23 R24 R31 R32 R34: "RESISTOR THICK FILM 10k OHMS 25V 0.05W 1% SMD 0201"
R29: "RES MET 0,125W 470 OHMS 5% SMD 0805"
R30: "RESISTOR THICK FILM 470k OHMS 25V 0.05W 1% SMD 0201"
R33: "RESISTOR THICK FILM 150k OHMS 25V 0.05W 1% SMD 0201"
TP_1V8 TP_CTS_0 TP_CTS_1 TP_IGT TP_PWR_IND TP_rfu TP_RTS_0 TP_RTS_1 TP_RXD0 TP_RXD_1 TP_TXD0 TP_TXD_1 TP_USB_DN TP_USB_DP TP_VCORE TP_VUSB: library part TESTPOINT-60MILS, "PONTO DE TESTE PARA CAMA DE PREGO"
U1: "CIRCUITO INTEGRADO DIG MOD COMUNICACAO MULTI REDES EXS82-W"
U2: "MICROCONTROLADOR 32BITS ARM 192KB FLASH 48 PINOS LQFP", Manufactor=STMICROELETRONICS, Part Number=STM32L071CZTx, ComponentLink1Description=Value, ComponentLink1URL=STM32L071CZTx
U3: "CI REGULADOR TENSAO CHAV AJUST 2A16V 2A DESC SAIDA VQFN-HR"
U4: "CID CONVERSOR NIVEL ALIMENTACAO DUPLA DIRECAO CONTROLADA 8 BITS 0.65V - 3.6V"

## Via types
v1: diameter 0.457, hole 0.203, Top Layer to Bottom Layer, tented both sides, 322 vias
v2: diameter 0.762, hole 0.305, Top Layer to Bottom Layer, tented both sides, 5 vias
v3: diameter 1.016, hole 0.508, Top Layer to Bottom Layer, tented both sides, 2 vias

## Nets (pads, with @x,y where several pads share a name; then routed paths per layer and width w, separated by ;. In a path a pad name is that pad's centre, name@x,y a point inside that pad or via, vN(x,y) a via of type N, cw(c..) or ccw(c..) an arc to the next point about the centre after c; other vN are vias at no path point)
1V8: C24.2 C48.2 J20.1 R17.1 TP_1V8.1 U1.10 U4.22 U4.23 | length 60.5
  Top Layer w0.203: C48.2@16.446,45.872 U4.22@16.446,47.095 17.094,47.095 U4.23@17.096,47.093
  Top Layer w0.254: v1@15.372,45.466 15.753,45.847 16.421,45.847 C48.2@16.446,45.872 ; R17.1@15.375,42.208 v1(15.375,42.716) C24.2@15.375,43.224
  Top Layer w0.508: v2(7.874,24.135) U1.10@9.925,24.135
  Mid-Layer 2 w0.127: J20.1@0,12.26 J20.1@2.22,12.26
  Bottom Layer w0.508: v1@15.372,45.466 15.372,42.718 v1(15.375,42.716)
  Bottom Layer w0.762: TP_1V8.1@13.716,22.86 17.638,22.86 18.669,23.891 18.669,30.673 16.351,32.991 16.351,41.74 v1(15.375,42.716)
  Bottom Layer w1.016: J20.1@0,12.26 J20.1@2.22,12.26 4.132,12.26 5.207,13.335 5.207,15.947 9.753,20.493 9.753,23.466 9.083,24.135 v2(7.874,24.135) ; 9.779,22.86 TP_1V8.1@13.716,22.86
  other v1: 15.367,45.466
3V3: C11.2 C12.1 C13.2 C14.2 C15.2 C18.1 C19.1 C20.1 C21.2 C22.2 C23.2 C30.2 C31.2 C32.2 C33.2 C34.2 C39.2 C40.2 C41.2 C42.2 C47.2 J2.1 Q1.2 Q4.2 R13.1 R19.2 R23.1 R26.2 R30.2 R35.2 R36.1 R38.2 U1.53 U2.1 U2.24 U2.36 U2.48 U3.7 U3.8 U4.24 | length 231.4
  Top Layer w0.203: C47.2@17.496,45.847 U4.24@17.496,47.07 ; R35.2@28.067,60.706 v1(28.575,60.706) ; v1(30.44,55.118) Q4.2@30.44,55.773
  Top Layer w0.254: R19.2@13.335,43.18 v1(13.335,43.795) ; v1(14.859,45.994) R36.1@14.859,46.609 ; v2(16.891,56.261) v2@16.891,56.312 ; v1(17.44,52.476) R38.2@18.161,52.476 ; C47.2@17.496,45.847 v1(18.09,45.847) ; v1(21.344,43.668) C32.2@21.344,44.262 21.882,44.262 22.099,44.479 U2.36@22.778,44.479 ; v1(22.028,52.944) C31.2@24.2,52.944 24.2,52.381 24.397,52.184 U2.24@24.397,51.597 ; C39.2@22.755,57.816 R30.2@24.638,57.816 U3.8@25.592,57.816 ; v1(27.127,39.593) R23.1@27.127,40.187 ; U2.48@29.897,42.86 29.897,42.181 30.113,41.964 C33.2@30.113,41.426 v1(30.707,41.426) ; U2.1@31.515,44.479 32.229,44.479 32.426,44.282 C30.2@32.874,44.282 33.306,44.282 33.547,44.04 v1(33.547,43.139)
  Top Layer w0.457: v1(33.547,43.139) R26.2@34.64,43.139
  Top Layer w0.508: C34.2@20.828,52.944 v1(22.028,52.944) ; U1.53@26.475,11.135 C20.1@32.639,11.135
  Top Layer w0.762: v2@16.891,56.312 C42.2@16.891,57.734 C41.2@18.923,57.734 C40.2@20.955,57.734 21.007,57.786 C39.2@22.681,57.786
  Top Layer w1.016: v3(5.207,2.946) C11.2@5.207,4.953 C12.1@5.207,7.747 ; C12.1@5.207,8.722 5.207,15.621 R13.1@5.207,18.135 ; C19.1@31.25,13.97 32.639,13.97 ; C20.1@32.639,11.135 v3(32.639,12.54) 32.639,13.97 ; C18.1@34.036,13.97 32.639,13.97
  Mid-Layer 2 w0.762: J2.1@0,57.98 J2.1@2.22,57.98 13.775,57.98 15.494,56.261 v2(16.891,56.261) ; v1(18.09,45.847) 20.269,43.668 v1(21.344,43.668) ; v1(22.028,52.944) 22.028,52.394 23.876,50.546 27.94,50.546 28.524,51.13 33.696,51.13 35.56,49.266 35.56,45.152 v1(33.547,43.139)
  Bottom Layer w0.508: v1(13.335,43.795) 13.335,44.47 v1(14.859,45.994) 15.271,46.406 17.531,46.406 v1(18.09,45.847) ; v1(17.44,52.476) 21.561,52.476 v1(22.028,52.944) ; v1(27.127,39.593) 29.941,39.593 30.707,40.359 v1(30.707,41.426)
  Bottom Layer w0.762: v3(5.207,2.946) 5.207,10.418 7.329,12.54 11.049,12.54 ; v2(16.891,56.261) 22.028,56.261 ; v1(18.09,45.847) 18.09,33.599 20.193,31.496 20.193,20.886 18.865,19.558 15.27,19.558 11.049,15.337 11.049,12.54 ; v1(21.344,43.668) 30.179,43.668 30.707,43.139 ; v1(22.028,52.944) 22.028,56.261 ; v1(30.44,55.118) 30.44,59.73 29.464,60.706 v1(28.575,60.706) 23.114,60.706 22.028,59.62 22.028,56.261 ; v1(30.707,41.426) 30.707,43.139 ; v3(32.639,12.54) 11.049,12.54 ; v1(33.547,43.139) 30.707,43.139
BLE_RX: J19.1 U2.40 | length 42.3
  Top Layer w0.127: v1(25.505,39.893) 25.505,40.837 25.875,41.207 U2.40@25.875,42.875
  Mid-Layer 2 w0.127: J19.1@2.22,14.8 8.45,14.8 18.923,25.273 18.923,34.569 23.597,39.243 24.892,39.243 v1@25.527,39.878
BLE_TX: J18.1 U2.39 | length 40.6
  Top Layer w0.127: v1(24.743,39.893) 24.743,40.739 25.375,41.371 U2.39@25.375,42.875
  Mid-Layer 2 w0.127: J18.1@2.22,17.34 5.402,17.34 6.739,18.677 11.827,18.677 18.542,25.392 18.542,34.75 23.67,39.878 v1@24.765,39.878
BOOT: R22.2 R23.2 R24.2 U2.44 | length 3.7
  Top Layer w0.127: R22.2@26.377,40.695 R23.2@27.127,40.695 R24.2@27.897,40.695 ; U2.44@27.897,42.86 R24.2@27.897,40.695 ; R24.2@27.901,40.695 R24.2@27.897,40.695
CCCLK: C28.2 CN1.C3 D1.6 U1.21 | length 39.5
  Top Layer w0.127: D1.6@5.827,42.7 v1(5.827,43.561) 5.827,45.324 6.35,45.847 v1(6.35,46.99) C28.2@7.214,46.99 ; U1.21@11.925,37.135 v1(11.925,38.983) ; v1(12.269,60.173) CN1.C3@12.269,61.245
  Mid-Layer 2 w0.127: v1(5.827,43.561) 5.827,42.687 10.16,38.354 11.296,38.354 v1(11.925,38.983)
  Bottom Layer w0.127: v1(6.35,46.99) 6.35,49.555 6.756,49.962 6.756,51.333 4.515,53.575 4.515,58.922 6.782,61.189 11.253,61.189 v1(12.269,60.173) v1@12.294,60.148
CCIO: C29.2 CN1.C7 D1.1 U1.19 | length 23.4
  Top Layer w0.127: v1(5.827,39.742) D1.1@5.827,40.7 ; v1(8.077,34.935) U1.19@9.925,34.935 ; v1(9.398,48.189) 12.294,48.189 ; C29.2@12.294,47.498 12.294,48.189 ; CN1.C7@12.294,49.52 12.294,48.189
  Bottom Layer w0.127: v1(8.077,34.935) 5.827,37.185 v1(5.827,39.742) 5.827,41.387 9.398,44.958 v1(9.398,48.189)
CCRST: C26.2 CN1.C2 D1.3 U1.17 | length 40.7
  Top Layer w0.127: v1(7.127,39.742) D1.3@7.127,40.7 ; v1(8.077,32.535) U1.17@9.925,32.535 ; v1(9.729,60.173) CN1.C2@9.729,61.245 ; v1(9.977,46.99) C26.2@10.668,46.99
  Bottom Layer w0.127: v1(8.077,32.535) 9.119,33.576 9.119,34.908 7.127,36.9 v1(7.127,39.742) 7.127,42.052 9.977,44.902 v1(9.977,46.99) 9.977,49.042 14.685,53.751 14.685,57.12 13.945,57.861 10.488,57.861 9.729,58.621 v1(9.729,60.173)
CCVCC: C27.2 CN1.C1 D1.5 U1.20 | length 31.4
  Top Layer w0.127: D1.5@6.477,42.7 6.477,45.268 v1(8.199,46.99) C27.2@8.89,46.99 ; v1(7.189,60.173) CN1.C1@7.189,61.245 ; U1.20@10.725,37.135 v1(10.725,38.983)
  Mid-Layer 2 w0.127: v1(6.477,43.561) 6.477,42.511 10.006,38.983 v1(10.725,38.983)
  Bottom Layer w0.127: v1@7.214,60.148 6.325,60.148 4.93,58.753 4.93,53.744 7.087,51.587 7.087,49.949 8.199,48.837 v1(8.199,46.99)
EMERG_RTS: C2.2 Q2.6 U1.33 | length 11.8
  Top Layer w0.127: U1.33@26.325,37.135 28.346,37.135 32.493,32.989 C2.2@32.493,29.82 32.493,29.121 Q2.6@32.503,29.111 Q2.6@32.518,29.126
EMERG_RTS_1V8: R3.1 U4.16 | length 34.4
  Top Layer w0.127: v1(15.367,49.495) U4.16@16.596,49.495 ; R3.1@34.677,29.075 v1(34.677,31.623)
  Bottom Layer w0.127: v1(15.367,49.495) 16.421,49.495 19.672,46.244 19.672,39.586 22.301,36.957 28.153,36.957 32.577,32.533 33.766,32.533 v1(34.677,31.623)
EMERG_RTS_3V3: U2.20 U4.6 | length 17
  Top Layer w0.127: U4.6@17.996,49.095 19.25,49.095 19.558,49.403 19.558,50.799 19.05,51.307 v1(19.05,53.34) ; U2.20@26.375,51.613 v1(26.375,53.117)
  Mid-Layer 2 w0.127: v1(19.05,53.34) 19.05,53.32 19.947,53.32 20.983,54.356 22.729,54.356 25.015,52.07 26.162,52.07 26.375,52.283 v1(26.375,53.117)
EXS82_RFU_GPIO6: C17.2 J35.1 R16.2 | length 9.9
  Top Layer w0.127: R16.2@29.337,29.591 v1(29.975,29.591) C17.2@30.613,29.591
  Mid-Layer 2 w0.127: v1(29.975,29.591) 30.713,29.591 32.804,27.5 J35.1@37.78,27.5
EXS82_RFU_GPIO7: C16.2 J36.1 R15.2 | length 9.8
  Top Layer w0.127: R15.2@29.345,31.877 v1(29.954,31.877) C16.2@30.562,31.877
  Mid-Layer 2 w0.127: v1(29.954,31.877) 30.607,31.877 32.444,30.04 J36.1@37.78,30.04
EXS82_RFU_I2CCLK: C8.1 J38.1 R14.2 | length 22.9
  Top Layer w0.127: R14.2@20.325,40.804 C8.1@21.166,40.804 21.166,41.105 21.463,41.402 v1(21.463,41.91)
  Bottom Layer w0.127: v1(21.463,41.91) 21.463,39.015 22.759,37.719 28.575,37.719 30.734,35.56 36.322,35.56 36.762,35.12 J38.1@37.78,35.12
EXS82_RFU_I2CDAT: C7.1 J37.1 R10.2 | length 24.7
  Top Layer w0.127: C7.1@18.288,40.804 R10.2@19.125,40.804 19.468,40.804 20.09,41.426 v1(20.683,41.426)
  Bottom Layer w0.127: v1(20.683,41.426) 20.683,39.185 22.53,37.338 28.303,37.338 32.621,33.02 36.335,33.02 36.775,32.58 J37.1@37.78,32.58
ExSx_CCGND: C26.1 C27.1 C28.1 C29.1 CN1.C5 R9.1 U1.84 | length 33.8
  Top Layer w0.254: CN1.C5@7.214,49.52 v1(7.214,48.189) C28.1@7.214,47.498 C27.1@8.89,47.498 C26.1@10.668,47.498 11.43,47.498 11.938,46.99 C29.1@12.294,46.99
  Top Layer w0.508: R9.1@5.969,34.135 v2(7.508,34.135) ; v2(12.164,34.135) U1.84@16.525,34.135
  Mid-Layer 2 w0.508: v2(7.508,34.135) v2(12.164,34.135)
  Bottom Layer w0.508: v1(7.214,48.189) 7.214,46.33 5.08,44.196 5.08,36.563 v2(7.508,34.135)
FST_SHDN: C3.2 Q2.3 U1.40 | length 8.7
  Top Layer w0.127: U1.40@27.125,27.735 28.805,27.735 30.632,25.908 33.686,25.908 33.813,26.035 C3.2@33.813,26.492 33.813,26.518 33.803,26.528 Q2.3@33.803,27.211
FST_SHDN_1V8: R5.1 U4.14 | length 34.4
  Top Layer w0.127: v1(15.45,50.165) 15.732,50.165 15.862,50.295 U4.14@16.446,50.295 ; R5.1@31.578,29.075 31.578,30.79 31.877,31.09 v1(31.877,31.623)
  Bottom Layer w0.127: v1(15.45,50.165) 14.935,50.165 14.732,49.962 14.732,49.038 14.965,48.806 16.593,48.806 19.267,46.131 19.267,39.389 22.07,36.586 27.993,36.586 31.877,32.702 v1(31.877,31.623)
FST_SHDN_3V3: U2.4 U4.8 | length 17.9
  Top Layer w0.127: U4.8@17.996,49.895 18.668,49.895 v1(18.906,49.657) ; U2.4@31.494,45.994 v1(32.891,45.994)
  Mid-Layer 2 w0.127: v1(18.906,49.657) 20.991,49.657 21.654,48.994 27.773,48.994 30.773,45.994 v1(32.891,45.994)